# KiCad board HPM6E00EnetConnectTsnRevB.kicad_pcb (continued)
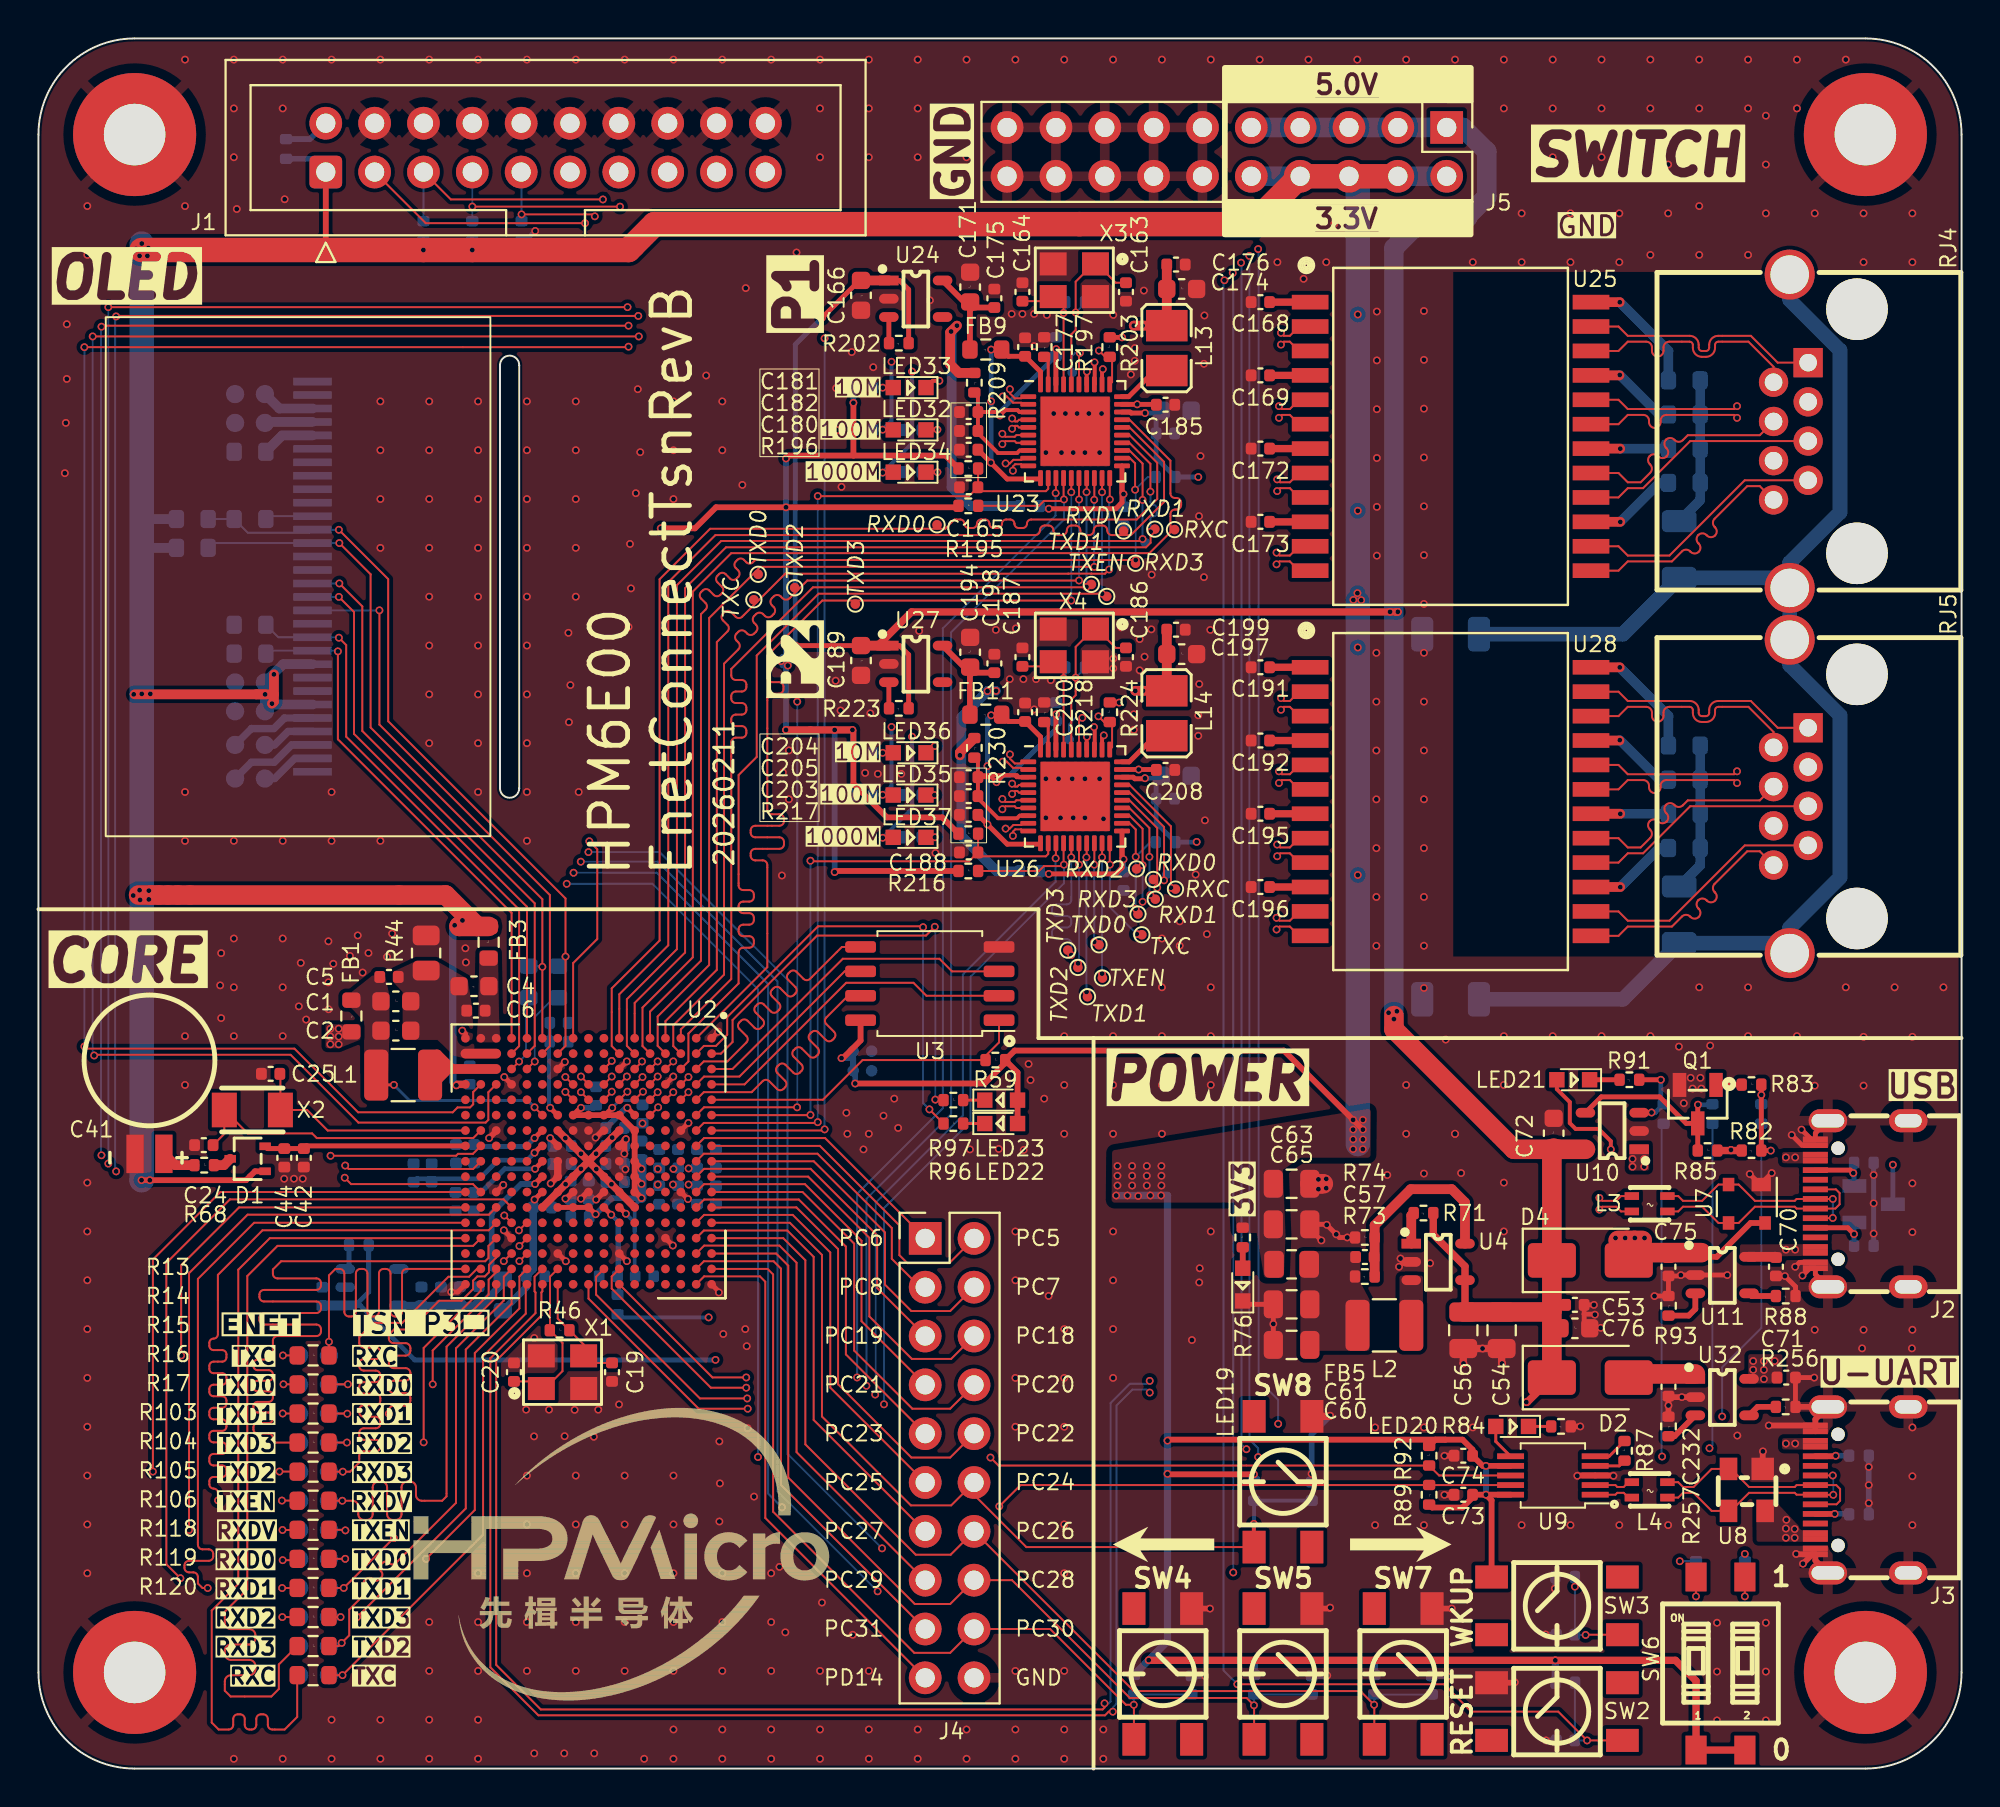
[diagram p0: board, top side]
## Routing (per net, layer and track width the routed paths; a pad name or vN(x,y) marks a point on that pad's centre or on a via; arc(x,y) is an arc through that point) (continued)
/HPM6E00EnetConnectTsnRevB/PB10: length 52
  Top w0.102: 34.2,37.99 37.9,41.69 37.9,47 arc(37.83,47.17) 37.66,47.24 37.27,47.24 arc(37.1,47.31) 37.03,47.48 37.03,47.6 arc(37.1,47.77) 37.27,47.84 38.53,47.84 arc(38.7,47.91) 38.77,48.08 38.77,48.2 arc(38.7,48.37) 38.53,48.44 37.27,48.44 arc(37.1,48.51) 37.03,48.68 37.03,48.8 arc(37.1,48.97) 37.27,49.04 38.53,49.04 arc(38.7,49.11) 38.77,49.28 38.77,49.4 arc(38.7,49.57) 38.53,49.64 38.14,49.64 arc(37.97,49.71) 37.9,49.88 37.9,55.67 arc(37.97,55.84) 38.14,55.91 38.5,55.91 arc(38.67,55.99) 38.74,56.15 38.74,56.27 arc(38.67,56.44) 38.5,56.51 38.14,56.51 arc(37.97,56.59) 37.9,56.75 37.9,57.9 40.76,60.76 v1(53.71,60.76) ; v1(53.71,66.4) 53.71,66.4 U23.15
  Bottom w0.102: v1(53.71,66.4) v1(53.71,60.76)
/HPM6E00EnetConnectTsnRevB/PB11: length 52
  Top w0.102: U2.C3 33.8,36.79 33.8,38.23 36.41,40.84 36.41,42.46 arc(36.48,42.63) 36.65,42.7 36.96,42.7 arc(37.13,42.77) 37.2,42.94 37.2,43.06 arc(37.13,43.23) 36.96,43.3 36.65,43.3 arc(36.48,43.37) 36.41,43.54 36.41,43.66 arc(36.48,43.83) 36.65,43.9 36.96,43.9 arc(37.13,43.97) 37.2,44.14 37.2,44.26 arc(37.13,44.43) 36.96,44.5 36.65,44.5 arc(36.48,44.57) 36.41,44.74 36.41,44.86 arc(36.48,45.03) 36.65,45.1 36.96,45.1 arc(37.13,45.17) 37.2,45.34 37.2,45.46 arc(37.13,45.63) 36.96,45.7 36.65,45.7 arc(36.48,45.77) 36.41,45.94 36.41,51.68 37.35,52.62 37.35,57.9 40.57,61.12 v1(55.31,61.12) ; v1(55.31,66.4) 55.31,66.4 U23.19
  Bottom w0.102: v1(55.31,66.4) v1(55.31,61.12)
/HPM6E00EnetConnectTsnRevB/PB12: length 39.2
  Top w0.102: v1(58.53,46.21) 58.53,48.98 56.74,50.77 U26.26 ; 30.2,35.59 30.2,35.6 v1(30.6,36)
  POWER3 w0.102: v1(58.53,46.21) 58.51,46.18 39.48,46.18 30.98,37.68 30.98,36.38 v1(30.6,36)
/HPM6E00EnetConnectTsnRevB/PB13: length 37
  Top w0.102: U26.25 56.73,50.37 58.18,48.93 v1(58.18,45.83) ; v1(31.38,36.79) 31.38,36.77 U2.F3
  POWER3 w0.102: v1(58.18,45.82) 39.77,45.82 31.38,37.43 v1(31.38,36.79)
/HPM6E00EnetConnectTsnRevB/PB14: length 36.8
  Top w0.102: v1(57.77,47.42) 57.77,48.93 56.73,49.97 U26.24 ; U2.F4 31.38,35.97 v1(31.41,35.97)
  POWER3 w0.102: v1(31.41,35.97) 31.79,36.35 31.79,37.22 40.02,45.44 v1(57.82,45.44)
  Bottom w0.102: v1(57.82,45.44) 57.77,45.49 57.77,47.42 v1(57.77,47.42)
/HPM6E00EnetConnectTsnRevB/PB15: length 41.6
  Top w0.102: v1(32.2,36.79) U2.E3 ; v1(57.41,47) 57.41,48.89 56.73,49.57 U26.23
  POWER3 w0.102: v1(32.2,36.79) 32.2,37.1 35.64,40.54 arc(35.81,40.61) 35.98,40.54 36.28,40.24 arc(36.45,40.17) 36.62,40.24 36.71,40.32 arc(36.78,40.49) 36.71,40.66 36.4,40.96 arc(36.33,41.13) 36.4,41.3 36.49,41.39 arc(36.66,41.46) 36.83,41.39 37.13,41.09 arc(37.3,41.02) 37.47,41.09 37.55,41.17 arc(37.62,41.34) 37.55,41.51 37.25,41.81 arc(37.18,41.98) 37.25,42.15 37.34,42.24 arc(37.51,42.31) 37.68,42.24 37.98,41.93 arc(38.15,41.86) 38.32,41.93 38.4,42.02 arc(38.47,42.19) 38.4,42.36 38.1,42.66 arc(38.03,42.83) 38.1,43 38.19,43.09 arc(38.36,43.16) 38.52,43.09 38.83,42.78 arc(39,42.71) 39.17,42.78 39.25,42.87 arc(39.32,43.04) 39.25,43.21 38.95,43.51 arc(38.88,43.68) 38.95,43.85 39.03,43.93 arc(39.2,44) 39.37,43.93 39.68,43.63 arc(39.85,43.56) 40.01,43.63 40.1,43.72 arc(40.17,43.89) 40.1,44.06 39.8,44.36 arc(39.73,44.53) 39.8,44.7 40.19,45.09 v1(57.41,45.09)
  Bottom w0.102: v1(57.41,45.09) v1(57.41,47)
/HPM6E00EnetConnectTsnRevB/PB16: length 41.9
  Top w0.102: v1(57.06,47.43) 57.06,48.85 56.74,49.17 U26.22 ; v1(32.2,36) 31.8,35.6 U2.E4
  POWER3 w0.102: v1(57.06,44.73) 41.75,44.73 41.45,44.42 arc(41.38,44.25) 41.45,44.08 41.8,43.73 arc(41.87,43.56) 41.8,43.39 41.72,43.3 arc(41.55,43.23) 41.38,43.3 41.02,43.66 arc(40.85,43.73) 40.68,43.66 40.6,43.57 arc(40.53,43.4) 40.6,43.24 40.96,42.88 arc(41.03,42.71) 40.96,42.54 40.87,42.45 arc(40.7,42.38) 40.53,42.45 40.18,42.81 arc(40.01,42.88) 39.84,42.81 39.75,42.73 arc(39.68,42.56) 39.75,42.39 40.11,42.03 arc(40.18,41.86) 40.11,41.69 40.02,41.61 arc(39.85,41.54) 39.68,41.61 39.33,41.96 arc(39.16,42.03) 38.99,41.96 38.9,41.88 arc(38.83,41.71) 38.9,41.54 39.26,41.18 arc(39.33,41.01) 39.26,40.84 39.17,40.76 arc(39,40.69) 38.83,40.76 38.48,41.11 arc(38.31,41.18) 38.14,41.11 36.72,39.69 35.28,39.69 32.6,37.01 32.6,36.61 32.2,36.2 v1(32.2,36)
  Bottom w0.102: R215.2 57.82,48.19 v1(57.06,47.43) 57.06,44.73 v1(57.06,44.73)
/HPM6E00EnetConnectTsnRevB/PB17: length 45.2
  Top w0.102: v1(58.89,45.82) 58.89,45.83 58.89,49.02 56.73,51.17 U26.27 ; v1(33.01,36.79) 32.62,36.39 U2.D3
  POWER3 w0.102: v1(33.01,36.79) 35.07,38.85 37.95,38.85 38.11,39.01 arc(38.28,39.08) 38.44,39.01 38.74,38.71 arc(38.91,38.64) 39.08,38.71 39.16,38.8 arc(39.23,38.97) 39.16,39.14 38.87,39.43 arc(38.8,39.6) 38.87,39.77 38.95,39.85 arc(39.12,39.92) 39.29,39.85 39.59,39.56 arc(39.76,39.49) 39.92,39.56 40.01,39.65 arc(40.08,39.82) 40.01,39.99 39.72,40.28 arc(39.65,40.45) 39.72,40.62 39.8,40.7 arc(39.97,40.77) 40.14,40.7 40.43,40.41 arc(40.6,40.34) 40.77,40.41 40.86,40.5 arc(40.93,40.66) 40.86,40.83 40.57,41.13 arc(40.5,41.3) 40.57,41.47 40.65,41.55 arc(40.82,41.62) 40.99,41.55 41.28,41.26 arc(41.45,41.19) 41.62,41.26 41.71,41.34 arc(41.78,41.51) 41.71,41.68 41.41,41.98 arc(41.34,42.14) 41.41,42.31 41.5,42.4 arc(41.67,42.47) 41.84,42.4 42.13,42.11 arc(42.3,42.04) 42.47,42.11 42.56,42.19 arc(42.63,42.36) 42.56,42.53 42.26,42.82 arc(42.19,42.99) 42.26,43.16 42.35,43.25 arc(42.52,43.32) 42.69,43.25 42.98,42.96 arc(43.15,42.89) 43.32,42.96 43.4,43.04 arc(43.47,43.21) 43.4,43.38 43.11,43.67 arc(43.04,43.84) 43.11,44.01 43.3,44.2 57.27,44.2 v1(58.89,45.82) 58.89,45.8 58.79,45.71
/HPM6E00EnetConnectTsnRevB/PB18: length 36.8
  Top w0.102: v1(55.71,47.02) 55.71,47.03 U26.20 ; v1(31.44,35.21) 31.42,35.21 U2.F5
  POWER3 w0.102: v1(31.44,35.21) 31.77,35.54 32.27,35.54 32.58,35.85 32.58,36.15 32.82,36.39 33.17,36.39 33.57,36.79 37.79,36.79 37.99,36.99 arc(38.06,37.16) 37.99,37.33 37.62,37.7 arc(37.55,37.87) 37.62,38.04 37.7,38.12 arc(37.87,38.19) 38.04,38.12 38.41,37.75 arc(38.58,37.68) 38.75,37.75 39.16,38.16 44.41,43.41 v1(57.11,43.41)
  Bottom w0.102: v1(55.71,47.02) 55.71,44.81 v1(57.11,43.41)
/HPM6E00EnetConnectTsnRevB/PB19: length 39.4
  Top w0.102: v1(32.2,35.19) U2.E5 ; v1(54.9,47.02) 54.91,47.03 U26.18
  POWER3 w0.102: v1(54.9,43.01) 54.57,42.68 44.35,42.68 44.12,42.44 arc(44.04,42.26) 44.12,42.07 44.44,41.75 arc(44.52,41.56) 44.44,41.38 44.35,41.29 arc(44.17,41.21) 43.98,41.29 43.66,41.61 arc(43.47,41.69) 43.29,41.61 43.2,41.52 arc(43.12,41.34) 43.2,41.15 43.52,40.83 arc(43.6,40.64) 43.52,40.46 43.43,40.37 arc(43.25,40.29) 43.06,40.37 42.74,40.69 arc(42.55,40.77) 42.37,40.69 42.28,40.6 arc(42.2,40.42) 42.28,40.23 42.6,39.91 arc(42.68,39.72) 42.6,39.54 42.51,39.45 arc(42.33,39.37) 42.14,39.45 41.82,39.77 arc(41.63,39.85) 41.45,39.77 41.36,39.68 arc(41.28,39.5) 41.36,39.32 41.68,38.99 arc(41.76,38.81) 41.68,38.62 41.59,38.53 arc(41.41,38.45) 41.22,38.53 40.9,38.86 arc(40.71,38.93) 40.53,38.86 40.44,38.76 arc(40.36,38.58) 40.44,38.4 40.76,38.07 arc(40.84,37.89) 40.76,37.7 40.67,37.61 arc(40.49,37.53) 40.31,37.61 39.98,37.94 arc(39.8,38.01) 39.61,37.94 38.08,36.4 33.59,36.4 33.39,36.2 33.39,35.82 33.16,35.59 32.76,35.59 32.35,35.19 v1(32.2,35.19)
  Bottom w0.102: v1(54.9,43.01) v1(54.9,47.02)
/HPM6E00EnetConnectTsnRevB/PB20: length 36.8
  Top w0.102: U2.E6 31.82,33.99 v1(32.22,34.4) ; v1(54.49,47.4) 54.51,47.42 U26.17
  POWER3 w0.102: v1(32.22,34.4) 32.6,34.78 43.6,34.78 49.23,40.4 50.42,40.4 arc(50.58,40.33) 50.66,40.16 50.66,39.82 arc(50.73,39.65) 50.9,39.58 51.02,39.58 arc(51.18,39.65) 51.26,39.82 51.26,40.16 arc(51.33,40.33) 51.5,40.4 51.62,40.4 arc(51.78,40.33) 51.86,40.16 51.86,39.82 arc(51.93,39.65) 52.1,39.58 52.22,39.58 arc(52.38,39.65) 52.46,39.82 52.46,40.16 arc(52.53,40.33) 52.7,40.4 52.82,40.4 arc(52.98,40.33) 53.06,40.16 53.06,39.82 arc(53.13,39.65) 53.3,39.58 53.42,39.58 arc(53.58,39.65) 53.66,39.82 53.66,40.16 arc(53.73,40.33) 53.9,40.4 v1(54.5,40.4)
  Bottom w0.102: v1(54.5,40.4) 54.49,40.41 v1(54.49,47.4)
/HPM6E00EnetConnectTsnRevB/PB21: length 44.8
  Top w0.102: v1(54.11,47.02) 54.11,47.03 U26.16 ; v1(33.01,35.19) 32.62,34.79 U2.D5
  POWER3 w0.102: 53.99,41.81 v1(54.06,41.89) 47.54,41.89 47.26,41.61 arc(47.19,41.44) 47.26,41.27 47.9,40.64 arc(47.97,40.47) 47.9,40.3 47.81,40.21 arc(47.64,40.14) 47.47,40.21 46.84,40.85 arc(46.67,40.92) 46.5,40.85 46.41,40.76 arc(46.34,40.59) 46.41,40.42 47.05,39.79 arc(47.12,39.62) 47.05,39.45 46.96,39.37 arc(46.79,39.3) 46.62,39.37 45.99,40 arc(45.82,40.07) 45.65,40 45.57,39.92 arc(45.49,39.75) 45.57,39.58 46.2,38.94 arc(46.27,38.77) 46.2,38.6 46.11,38.52 arc(45.94,38.45) 45.77,38.52 45.14,39.15 arc(44.97,39.22) 44.8,39.15 44.72,39.07 arc(44.65,38.9) 44.72,38.73 45.35,38.09 arc(45.42,37.92) 45.35,37.75 45.27,37.67 arc(45.1,37.6) 44.93,37.67 44.29,38.3 arc(44.12,38.37) 43.95,38.3 43.87,38.22 arc(43.8,38.05) 43.87,37.88 44.5,37.24 arc(44.57,37.08) 44.5,36.91 44.42,36.82 arc(44.25,36.75) 44.08,36.82 43.44,37.45 arc(43.27,37.52) 43.1,37.45 43.02,37.37 arc(42.95,37.2) 43.02,37.03 43.65,36.4 arc(43.72,36.23) 43.65,36.06 43.57,35.97 arc(43.4,35.9) 43.23,35.97 42.6,36.61 arc(42.43,36.68) 42.26,36.61 41.22,35.57 33.59,35.57 33.21,35.19 v1(33.01,35.19)
  Bottom w0.102: v1(54.06,41.89) 54.11,41.94 v1(54.11,47.02)
/HPM6E00EnetConnectTsnRevB/PB22: length 36.8
  Top w0.102: U26.15 53.71,47.4 v1(53.71,47.4) ; U2.C4 33.42,35.59 v1(33.8,35.97)
  POWER3 w0.102: v1(53.71,42.32) 46.17,42.32 45.93,42.08 arc(45.84,41.87) 45.93,41.66 46.1,41.49 arc(46.19,41.27) 46.1,41.06 46,40.96 arc(45.78,40.87) 45.57,40.96 45.4,41.13 arc(45.19,41.21) 44.98,41.13 44.87,41.02 arc(44.78,40.81) 44.87,40.6 45.04,40.42 arc(45.13,40.21) 45.04,40 44.94,39.89 arc(44.72,39.81) 44.51,39.89 44.34,40.07 arc(44.13,40.15) 43.92,40.07 43.81,39.96 arc(43.72,39.75) 43.81,39.54 43.98,39.36 arc(44.07,39.15) 43.98,38.94 43.88,38.83 arc(43.66,38.75) 43.45,38.83 43.28,39.01 arc(43.07,39.09) 42.86,39.01 42.75,38.9 arc(42.66,38.69) 42.75,38.48 42.92,38.3 arc(43.01,38.09) 42.92,37.88 42.81,37.77 arc(42.6,37.69) 42.39,37.77 42.22,37.94 arc(42.01,38.03) 41.79,37.94 39.82,35.97 v1(33.8,35.97)
  Bottom w0.102: v1(53.71,47.4) 53.71,45.19 arc(53.64,45.02) 53.47,44.95 52.95,44.95 arc(52.78,44.88) 52.71,44.71 52.71,44.59 arc(52.78,44.42) 52.95,44.35 53.47,44.35 arc(53.64,44.28) 53.71,44.11 53.71,43.99 arc(53.64,43.82) 53.47,43.75 52.95,43.75 arc(52.78,43.68) 52.71,43.51 52.71,43.39 arc(52.78,43.22) 52.95,43.15 53.47,43.15 arc(53.64,43.08) 53.71,42.91 v1(53.71,42.32)
/HPM6E00EnetConnectTsnRevB/PB23: length 31.4
  Top w0.102: U2.C5 v1(33.8,35.19) ; v1(55.31,47.4) 55.31,47.4 U26.19
  POWER3 w0.102: v1(55.31,41.35) 49.5,41.35 43.34,35.19 v1(33.8,35.19)
  Bottom w0.102: v1(55.31,41.35) v1(55.31,47.4)
/HPM6E00EnetConnectTsnRevB/PB24: length 24.5
  Top w0.102: v1(46.63,34.8) 46.66,34.77 R97.1 ; v1(46.61,43.79) 46.15,43.33 40.49,43.33 36.09,38.94 36.09,37.8 35.49,37.19 U2.A2
  Bottom w0.102: v1(46.63,34.8) 46.63,43.76 v1(46.61,43.79)
/HPM6E00EnetConnectTsnRevB/PB25: length 25.8
  Top w0.102: v1(46.33,34.29) 47.06,33.56 R96.1 ; 34.2,37.19 34.6,37.59 35.23,37.59 35.81,38.18 35.81,39.09 40.54,43.81 45.95,43.81 v1(46,43.77)
  Bottom w0.102: v1(46.33,34.29) 46,34.62 v1(46,43.77)
/HPM6E00EnetConnectTsnRevB/PC0: length 32.6
  Top w0.102: C188.1 48.39,47.19 40.17,47.19 v1(40.14,47.22) ; C188.1 49.05,47.45 52.38,47.45 52.51,47.58 U26.12 ; C188.1 48.86,47.67 R217.2 ; U2.A6 40.13,33.99 v1(40.14,34)
  Bottom w0.102: v1(40.14,47.22) v1(40.14,34)
/HPM6E00EnetConnectTsnRevB/PC1: length 44.8
  Top w0.102: v1(55.12,54.74) 55.42,54.44 R224.1 55.83,54.32 55.83,53.13 U26.31 ; v1(39.45,34.4) 34.61,34.4 34.2,33.99
  POWER3 w0.102: v1(55.12,54.74) 54.33,55.53 39.48,55.53 v1(39.46,55.5)
  Bottom w0.102: v1(39.46,55.5) 39.46,34.4
/HPM6E00EnetConnectTsnRevB/PC3: length 63.9
  Top w0.102: v1(40.88,33.25) 40.82,33.19 U2.A7 ; U23.31 55.83,72.13 55.83,73.31 R203.1 55.47,73.44 v1(55.14,73.76)
  POWER3 w0.102: v1(55.14,73.76) 54.51,74.4 v1(40.88,74.4)
  Bottom w0.102: 40.88,33.2 40.88,33.2 v1(40.88,33.25) v1(40.88,74.4)
/HPM6E00EnetConnectTsnRevB/PC4: length 53
  Top w0.102: C165.1 49.05,66.45 52.38,66.45 52.51,66.57 U23.12 ; C165.1 48.86,66.66 R196.2 ; C165.1 48.39,66.19 40.53,66.19 v1(40.52,66.2) ; v1(40.52,33.62) 40.48,33.58 34.6,33.58 34.2,33.19
  Bottom w0.102: v1(40.52,66.2) v1(40.52,33.62) 40.52,33.58
/HPM6E00EnetConnectTsnRevB/PC5: length 17.6
  Top w0.102: U2.A8 40.63,32.39 44.77,28.26 44.77,26.71 45.19,26.29 47.36,26.29 J4.2
/HPM6E00EnetConnectTsnRevB/PC6: length 14.2
  Top w0.102: 34.2,32.39 34.61,32.8 40.91,32.8 46.11,27.59 J4.1
/HPM6E00EnetConnectTsnRevB/PC7: length 19
  Top w0.102: J4.4 47.41,23.8 45.39,23.8 44.02,25.17 44.02,27.89 40.32,31.59 U2.A9
/HPM6E00EnetConnectTsnRevB/PC8: length 15.9
  Top w0.102: J4.3 45.85,25.04 44.37,26.52 44.37,28.12 40.51,31.98 34.6,31.98 34.2,31.59
/HPM6E00EnetConnectTsnRevB/PC18: length 20.5
  Top w0.102: J4.6 47.46,21.31 45.42,21.31 43.21,23.52 43.21,27.61 40.02,30.79 U2.A10
/HPM6E00EnetConnectTsnRevB/PC19: length 17.3
  Top w0.102: J4.5 43.61,25 43.61,27.74 40.15,31.2 34.61,31.2 34.2,30.79
/HPM6E00EnetConnectTsnRevB/PC20: length 22.1
  Top w0.102: U2.A11 39.73,29.99 42.42,27.3 42.42,21.74 45.44,18.72 47.41,18.72 J4.8
/HPM6E00EnetConnectTsnRevB/PC21: length 18.9
  Top w0.102: J4.7 42.8,23.27 42.8,27.46 39.86,30.4 34.61,30.4 34.2,29.99
/HPM6E00EnetConnectTsnRevB/PC22: length 23.7
  Top w0.102: U2.A12 39.41,29.19 41.58,27.03 41.58,19.99 45.39,16.18 47.41,16.18 J4.10
/HPM6E00EnetConnectTsnRevB/PC23: length 20.4
  Top w0.102: 34.2,29.19 34.61,29.6 39.54,29.6 41.99,27.15 41.99,21.54 J4.9
/HPM6E00EnetConnectTsnRevB/PC24: length 46.9
  Top w0.102: U2.A13 39.07,28.39 40.74,26.72 40.74,18.31 45.36,13.69 47.46,13.69 J4.12 48.65,14.24 51.37,11.52 SW8.4
  Top w0.203: SW8.4 63.2,11.53 v1(63.2,12.73)
  Bottom w0.203: C80.1 63.22,13.94 R101.2 63.21,12.74 v1(63.2,12.73)
/HPM6E00EnetConnectTsnRevB/PC25: length 22
  Top w0.102: J4.11 41.17,19.82 41.17,26.85 39.22,28.8 34.61,28.8 34.2,28.39
/HPM6E00EnetConnectTsnRevB/PC26: length 56.5
  Top w0.102: 68.8,3.98 v1(69.45,3.32) 69.46,3.31 SW7.4 ; 68.8,3.98 68.74,4.03 ; 68.8,3.98 68.74,4.03 ; 68.74,4.03 56.96,4.03 J4.14 47.44,11.13 45.62,11.13 39.88,16.87 39.88,26.44 38.73,27.59 U2.A14
  Bottom w0.102: C79.1 72.46,3.85 R100.2 69.45,3.84 v1(69.45,3.32)
/HPM6E00EnetConnectTsnRevB/PC27: length 23.5
  Top w0.102: 34.2,27.59 34.6,27.99 38.94,27.99 40.31,26.62 40.31,18.14 46.11,12.34 J4.13
/HPM6E00EnetConnectTsnRevB/PC28: length 50.8
  Top w0.102: U2.A15 38.36,26.79 38.99,26.16 38.99,15.14 45.57,8.56 47.41,8.56 J4.16 50.63,9.8 56.75,3.67 62.82,3.67 v1(63.21,3.29) 63.21,3.28 SW5.4
  Bottom w0.102: C78.1 63.22,3.86 R95.2 63.21,3.84 v1(63.21,3.29)
/HPM6E00EnetConnectTsnRevB/PC29: length 25.1
  Top w0.102: 34.2,26.79 34.62,27.2 38.53,27.2 39.42,26.31 39.42,16.46 46.08,9.8 J4.15
/HPM6E00EnetConnectTsnRevB/PC30: length 44.9
  Top w0.102: U2.A16 37.92,25.99 38.2,25.7 38.2,13.36 45.54,6.02 47.41,6.02 J4.18 52.61,7.26 56.55,3.32 v1(56.96,3.32) 56.96,3.31 SW4.4
  Bottom w0.102: C77.1 59.96,3.85 R94.2 56.96,3.84 v1(56.96,3.32)
/HPM6E00EnetConnectTsnRevB/PC31: length 26.7
  Top w0.102: J4.17 46.11,7.26 38.61,14.76 38.61,26.01 38.23,26.39 34.6,26.39 34.2,25.99 34.36,25.99
/HPM6E00EnetConnectTsnRevB/PD14: length 27.9
  Top w0.102: 34.2,25.19 34.62,25.6 37.52,25.6 37.8,25.32 37.8,13.03 J4.19
/HPM6E00EnetConnectTsnRevB/PE0: length 65.4
  Top w0.102: v1(36.8,20.35) 35.05,20.35 30.2,25.19 ; v1(52.89,66.35) 52.91,66.36 U23.13
  POWER3 w0.102: v1(42.57,20.35) v1(36.8,20.35)
  Bottom w0.102: v1(52.89,66.35) 52.89,65.18 47.03,59.31 47.03,34.35 42.57,29.9 v1(42.57,20.35)
/HPM6E00EnetConnectTsnRevB/PE1: length 72.7
  Top w0.102: R195.2 52.03,65.69 52.28,65.94 53.25,65.94 v1(53.32,66.02) 53.31,66.04 U23.14 ; v1(36.8,19.81) 34.96,19.81 29.81,24.97 29.81,25.6 30.2,25.99
  POWER3 w0.102: v1(43.05,19.91) 42.95,19.81 v1(36.8,19.81)
  Bottom w0.102: v1(43.05,19.91) 43.05,29.63 47.46,34.04 47.46,59.11 53.32,64.98 v1(53.32,66.02)
/HPM6E00EnetConnectTsnRevB/PE3: length 50.9
  Top w0.102: U2.H16 29,25.58 29,24.65 34.4,19.25 v1(36.86,19.25) ; v1(52.89,47.35) 52.91,47.37 U26.13
  POWER3 w0.102: v1(43.51,19.46) 43.31,19.25 v1(36.86,19.25)
  Bottom w0.102: v1(52.89,47.35) 52.89,46.13 48.07,41.3 48.07,33.97 43.54,29.44 43.54,19.48 v1(43.51,19.46)
/HPM6E00EnetConnectTsnRevB/PE4: length 56.2
  Top w0.102: U26.14 53.31,47.04 v1(53.32,47.02) 53.25,46.95 52.28,46.95 52.03,46.69 R216.2 ; U2.J17 28.6,24.45 34.33,18.72 v1(36.88,18.72)
  POWER3 w0.102: v1(36.88,18.72) 43.74,18.72 v1(43.97,18.95)
  Bottom w0.102: v1(53.32,47.02) 53.32,46.05 48.47,41.2 48.47,33.67 43.97,29.16 v1(43.97,18.95)
/HPM6E00EnetConnectTsnRevB/PE20: length 25.7
  Top w0.102: R103.2 v1(15.8,13.93) 16.33,13.93 arc(16.54,13.84) 16.63,13.63 16.63,13.23 arc(16.72,13.02) 16.93,12.93 17.08,12.93 arc(17.29,13.02) 17.38,13.23 17.38,14.63 arc(17.47,14.84) 17.68,14.93 17.83,14.93 arc(18.04,14.84) 18.13,14.63 18.13,13.23 arc(18.22,13.02) 18.43,12.93 18.58,12.93 arc(18.79,13.02) 18.88,13.23 18.88,14.63 arc(18.97,14.84) 19.18,14.93 19.33,14.93 arc(19.54,14.84) 19.63,14.63 19.63,14.23 arc(19.72,14.02) 19.93,13.93 20.99,13.93 21.22,14.16 21.22,21.94 23.8,24.53 U2.R17
  Bottom w0.102: R103.2 v1(15.8,13.93)
/HPM6E00EnetConnectTsnRevB/PE21: length 23.1
  Top w0.102: U2.R16 23.8,25.83 23.41,25.43 23.41,24.66 20.5,21.75 v1(20.5,19.99) ; v1(16.09,19.99) 15.12,19.99 R14.2
  POWER3 w0.102: v1(20.5,19.99) 20.49,20 19.97,20 arc(19.8,20.07) 19.73,20.24 19.73,21.52 arc(19.66,21.69) 19.49,21.76 19.37,21.76 arc(19.2,21.69) 19.13,21.52 19.13,20.24 arc(19.06,20.07) 18.89,20 18.77,20 arc(18.6,20.07) 18.53,20.24 18.53,21.52 arc(18.46,21.69) 18.29,21.76 18.17,21.76 arc(18,21.69) 17.93,21.52 17.93,20.24 arc(17.86,20.07) 17.69,20 17.57,20 arc(17.4,20.07) 17.33,20.24 17.33,21.52 arc(17.26,21.69) 17.09,21.76 16.97,21.76 arc(16.8,21.69) 16.73,21.52 16.73,20.24 arc(16.66,20.07) 16.49,20 16.1,20 v1(16.09,19.99)
  Bottom w0.102: R14.2 16.08,19.98 v1(16.09,19.99)
/HPM6E00EnetConnectTsnRevB/PE22: length 23.1
  Top w0.102: R15.2 16.05,18.47 v1(16.06,18.46) ; v1(18.22,18.46) 18.22,18.62 arc(18.3,18.8) 18.48,18.88 19.08,18.88 arc(19.27,18.96) 19.34,19.14 19.34,19.27 arc(19.27,19.45) 19.08,19.53 18.48,19.53 arc(18.3,19.61) 18.22,19.79 18.22,19.92 arc(18.3,20.1) 18.48,20.18 19.08,20.18 arc(19.27,20.26) 19.34,20.44 19.34,20.57 arc(19.27,20.75) 19.08,20.83 18.48,20.83 arc(18.3,20.91) 18.22,21.09 18.22,21.22 arc(18.3,21.4) 18.48,21.48 19.08,21.48 arc(19.27,21.56) 19.34,21.74 19.34,21.87 arc(19.27,22.05) 19.08,22.13 18.48,22.13 arc(18.3,22.21) 18.22,22.39 18.22,22.57 18.49,22.84 19.34,22.84 20.83,24.33 21.99,24.33 22.6,24.94 22.6,25.38 22.82,25.6 23.21,25.6 23.43,25.82 23.43,26.21 23.8,26.58 U2.R15
  POWER3 w0.102: v1(16.06,18.46) 16.46,18.46 arc(16.64,18.54) 16.72,18.72 16.72,19.2 arc(16.79,19.38) 16.98,19.46 17.11,19.46 arc(17.29,19.38) 17.37,19.2 17.37,18.72 arc(17.44,18.54) 17.63,18.46 v1(18.22,18.46)
  Bottom w0.102: v1(16.06,18.46) 16.05,18.47 R15.2
/HPM6E00EnetConnectTsnRevB/PE23: length 23
  Top w0.102: v1(16.04,16.96) 16.04,16.96 R16.2 ; U2.T17 23,24.85 20.03,21.88 v1(20.03,16.97)
  POWER3 w0.102: v1(20.03,16.97) 20.02,16.96 19.58,16.96 arc(19.36,16.87) 19.26,16.64 19.26,15.07 arc(19.17,14.85) 18.94,14.75 18.78,14.75 arc(18.56,14.85) 18.46,15.07 18.46,16.64 arc(18.37,16.87) 18.14,16.96 17.98,16.96 arc(17.76,16.87) 17.66,16.64 17.66,15.07 arc(17.57,14.85) 17.34,14.75 17.18,14.75 arc(16.96,14.85) 16.86,15.07 16.86,16.64 arc(16.77,16.87) 16.54,16.96 v1(16.04,16.96)
  Bottom w0.102: v1(16.04,16.96) 16.04,16.96 R16.2
/HPM6E00EnetConnectTsnRevB/PE24: length 25.7
  Top w0.102: U2.T16 22.8,25.99 22.39,25.58 21.32,25.58 18.92,23.19 17.43,23.19 16.68,22.44 16.68,22.14 arc(16.75,21.97) 16.92,21.9 17.54,21.9 arc(17.71,21.83) 17.78,21.66 17.78,21.54 arc(17.71,21.37) 17.54,21.3 16.92,21.3 arc(16.75,21.23) 16.68,21.06 16.68,20.94 arc(16.75,20.77) 16.92,20.7 17.54,20.7 arc(17.71,20.63) 17.78,20.46 17.78,20.34 arc(17.71,20.17) 17.54,20.1 16.92,20.1 arc(16.75,20.03) 16.68,19.86 16.68,19.74 arc(16.75,19.57) 16.92,19.5 17.54,19.5 arc(17.71,19.43) 17.78,19.26 17.78,19.14 arc(17.71,18.97) 17.54,18.9 16.92,18.9 arc(16.75,18.83) 16.68,18.66 16.68,18.54 arc(16.75,18.37) 16.92,18.3 17.54,18.3 arc(17.71,18.23) 17.78,18.06 17.78,17.94 arc(17.71,17.77) 17.54,17.7 16.92,17.7 arc(16.75,17.63) 16.68,17.46 16.68,17.34 arc(16.75,17.17) 16.92,17.1 17.54,17.1 arc(17.71,17.03) 17.78,16.86 17.78,16.74 arc(17.71,16.57) 17.54,16.5 16.92,16.5 arc(16.75,16.43) 16.68,16.26 16.68,15.92 16.2,15.44 v1(15.82,15.44) R17.2
  Bottom w0.102: R17.2 v1(15.82,15.44)
/HPM6E00EnetConnectTsnRevB/PE25: length 25.7
  Top w0.102: 22.2,25.99 19.15,25.99 arc(18.98,25.92) 18.91,25.75 18.91,23.76 arc(18.84,23.59) 18.67,23.52 18.55,23.52 arc(18.38,23.59) 18.31,23.76 18.31,25.75 arc(18.24,25.92) 18.07,25.99 17.95,25.99 arc(17.78,25.92) 17.71,25.75 17.71,23.76 arc(17.64,23.59) 17.47,23.52 17.35,23.52 arc(17.18,23.59) 17.11,23.76 17.11,25.75 arc(17.04,25.92) 16.87,25.99 16.75,25.99 arc(16.58,25.92) 16.51,25.75 16.51,23.76 arc(16.44,23.59) 16.27,23.52 16.15,23.52 arc(15.98,23.59) 15.91,23.76 15.91,25.75 arc(15.84,25.92) 15.67,25.99 15.44,25.99 15.11,25.66 v1(15.11,22.2) R13.2
  Bottom w0.102: R13.2 v1(15.11,22.2)
/HPM6E00EnetConnectTsnRevB/PE26: length 25.7
  Top w0.102: R120.2 v1(15.81,4.86) 23.12,12.17 23.12,21.44 25.34,23.66 25.34,25.13 U2.N17
  Bottom w0.102: R120.2 v1(15.81,4.86)
/HPM6E00EnetConnectTsnRevB/PE27: length 22.9
  Top w0.102: 15.11,10.91 R105.2 ; v1(15.95,10.91) 15.32,10.91 ; v1(20.16,10.91) 20.16,10.92 22.69,13.45 22.69,21.62 25.01,23.93 25.01,25.6 U2.N16
  POWER3 w0.102: v1(20.16,10.91) v1(15.95,10.91)
  Bottom w0.102: v1(15.95,10.91) 15.95,10.91 R105.2
/HPM6E00EnetConnectTsnRevB/PE28: length 22.9
  Top w0.102: R106.2 v1(15.87,9.39) 18.47,11.99 v1(18.48,11.99) ; v1(25.01,26.4) 25.4,26.79 U2.N15
  POWER3 w0.102: v1(25.01,26.4) 25.01,25.83 22.19,23.02 22.19,15.7 v1(18.48,11.99)
  Bottom w0.102: R106.2 v1(15.87,9.39)
/HPM6E00EnetConnectTsnRevB/PE29: length 22.1
  Top w0.102: R118.2 15.11,7.88 v1(15.71,7.88) ; U2.P17 24.6,24.18 22.22,21.79 22.22,13.53 v1(16.57,7.88)
  POWER3 w0.102: v1(16.57,7.88) v1(15.71,7.88)
/HPM6E00EnetConnectTsnRevB/PE30: length 25.7
  Top w0.102: R119.2 15.6,6.37 v1(15.77,6.54) 16.16,6.93 16.16,8.27 16.97,9.08 arc(17.04,9.24) 16.97,9.41 16.95,9.43 arc(16.88,9.59) 16.95,9.76 17.04,9.85 arc(17.21,9.92) 17.38,9.85 17.39,9.84 arc(17.56,9.77) 17.73,9.84 17.81,9.92 arc(17.88,10.09) 17.81,10.26 17.8,10.27 arc(17.73,10.44) 17.8,10.61 17.89,10.7 arc(18.06,10.77) 18.23,10.7 18.24,10.69 arc(18.41,10.62) 18.58,10.69 21.71,13.82 21.71,21.86 24.2,24.35 24.2,25.58 U2.P16